# Altium PCB PCB1.PcbDoc
Units mm, origin at the board's own origin, x right, y up, seen from the top; angles counter-clockwise.
Board outline 99.31 x 89.54 mm, 2 copper layers (Top Layer, Bottom Layer); 80 components, 69 nets, 260 pads, 105 vias.
Unrouted connection lines stored in the file: 110.
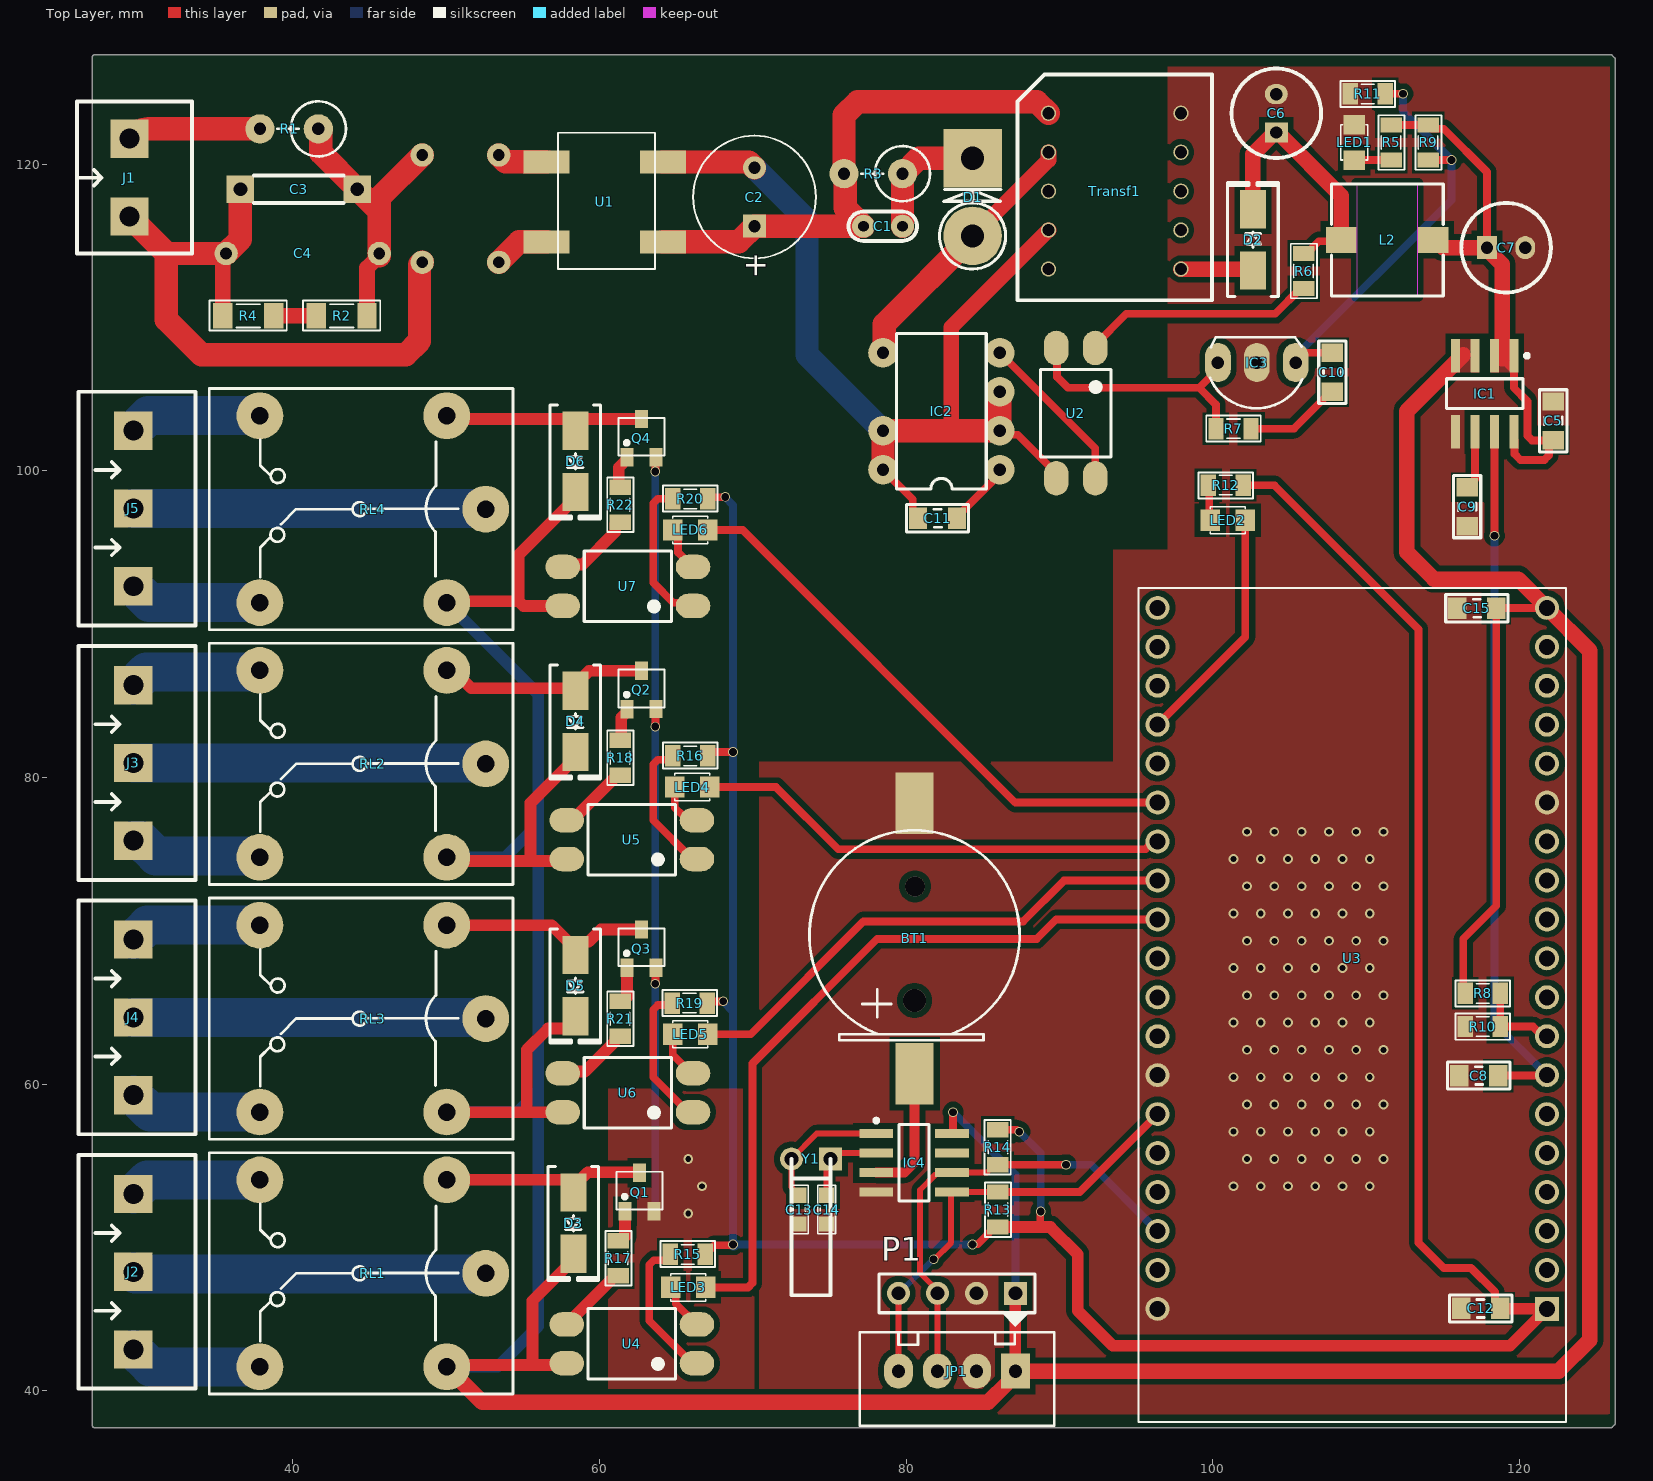
[diagram p0: Top Layer view]
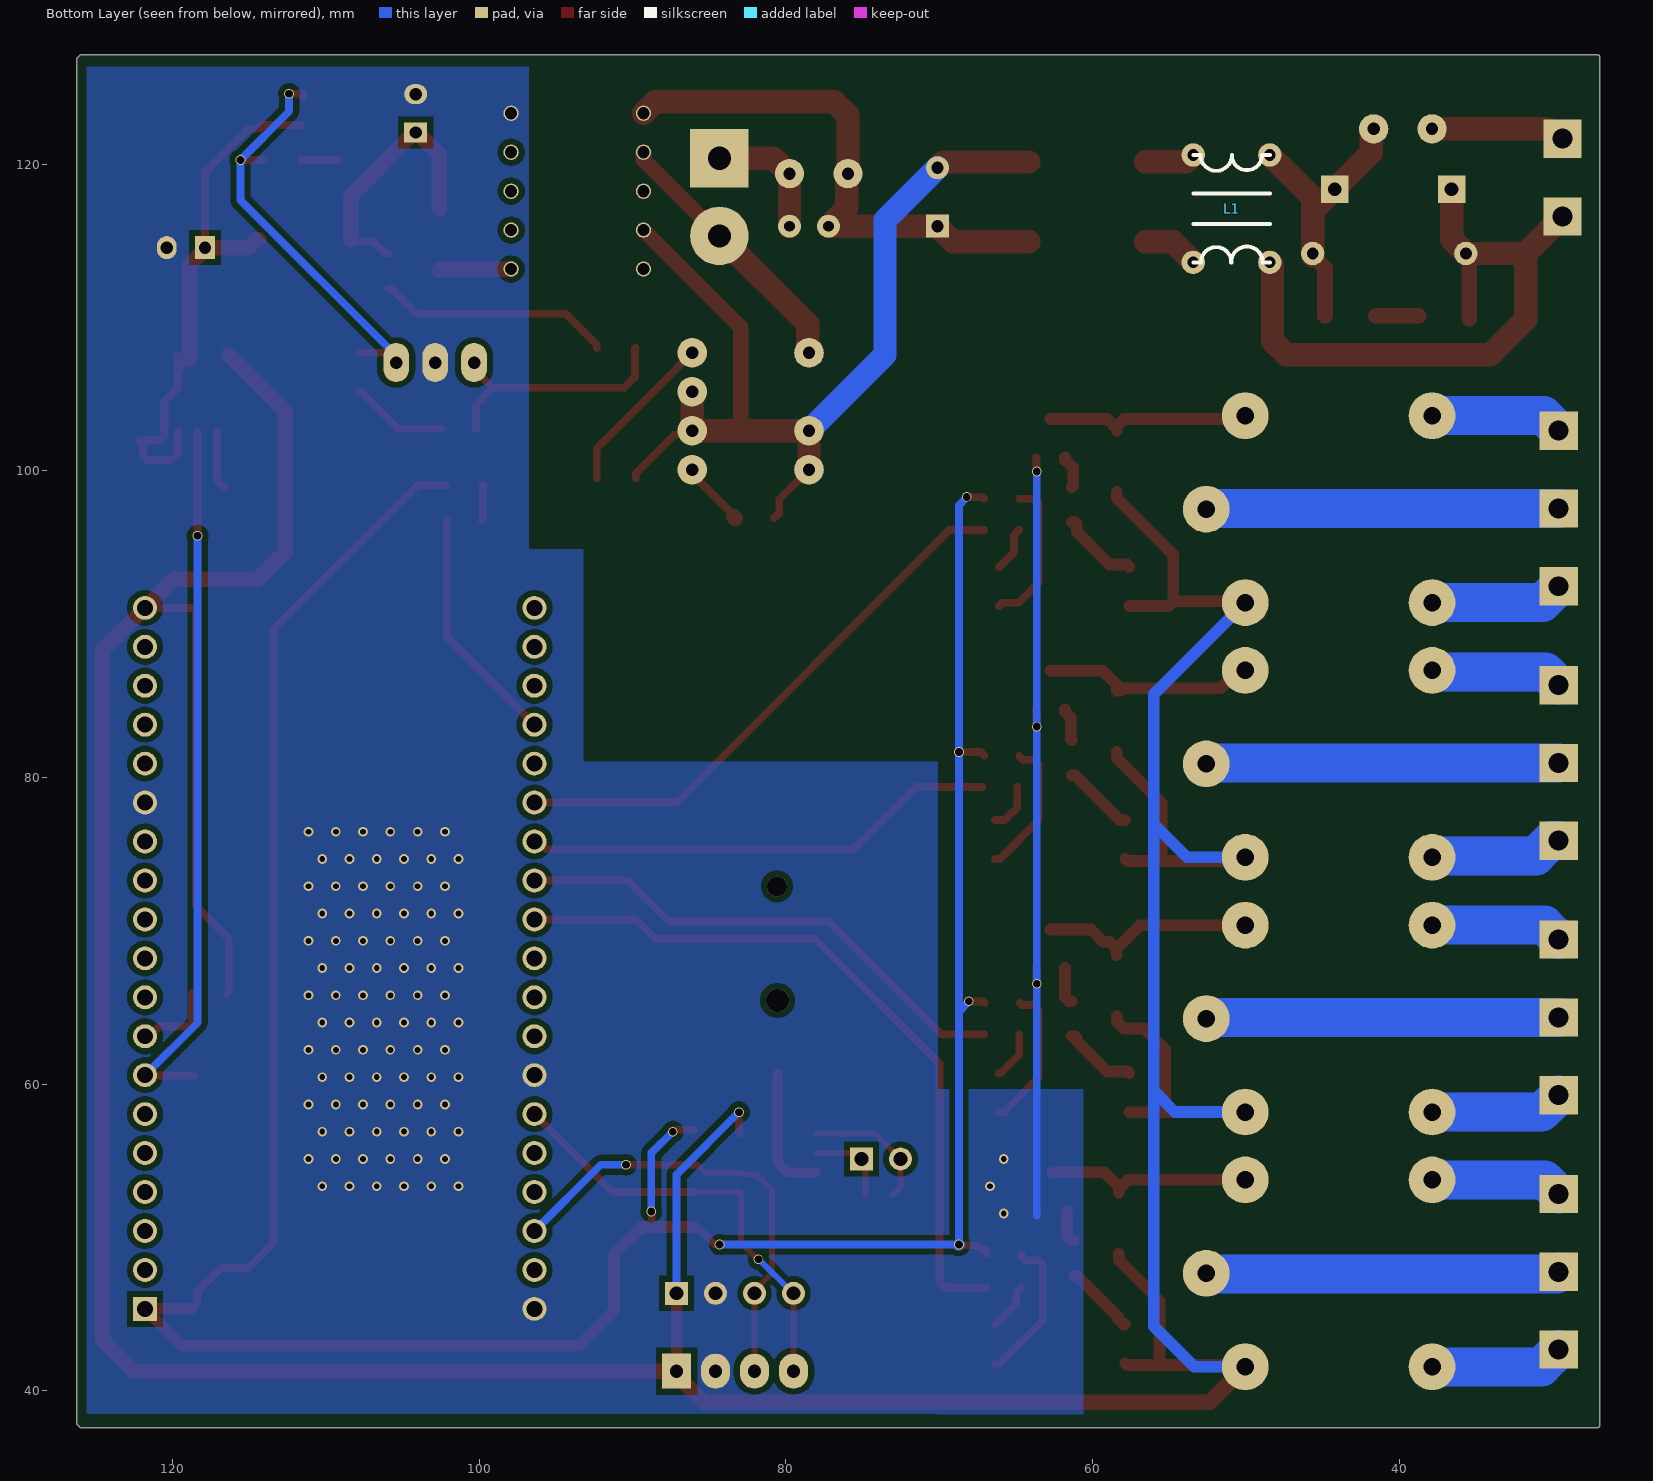
[diagram p1: Bottom Layer view, seen from below]
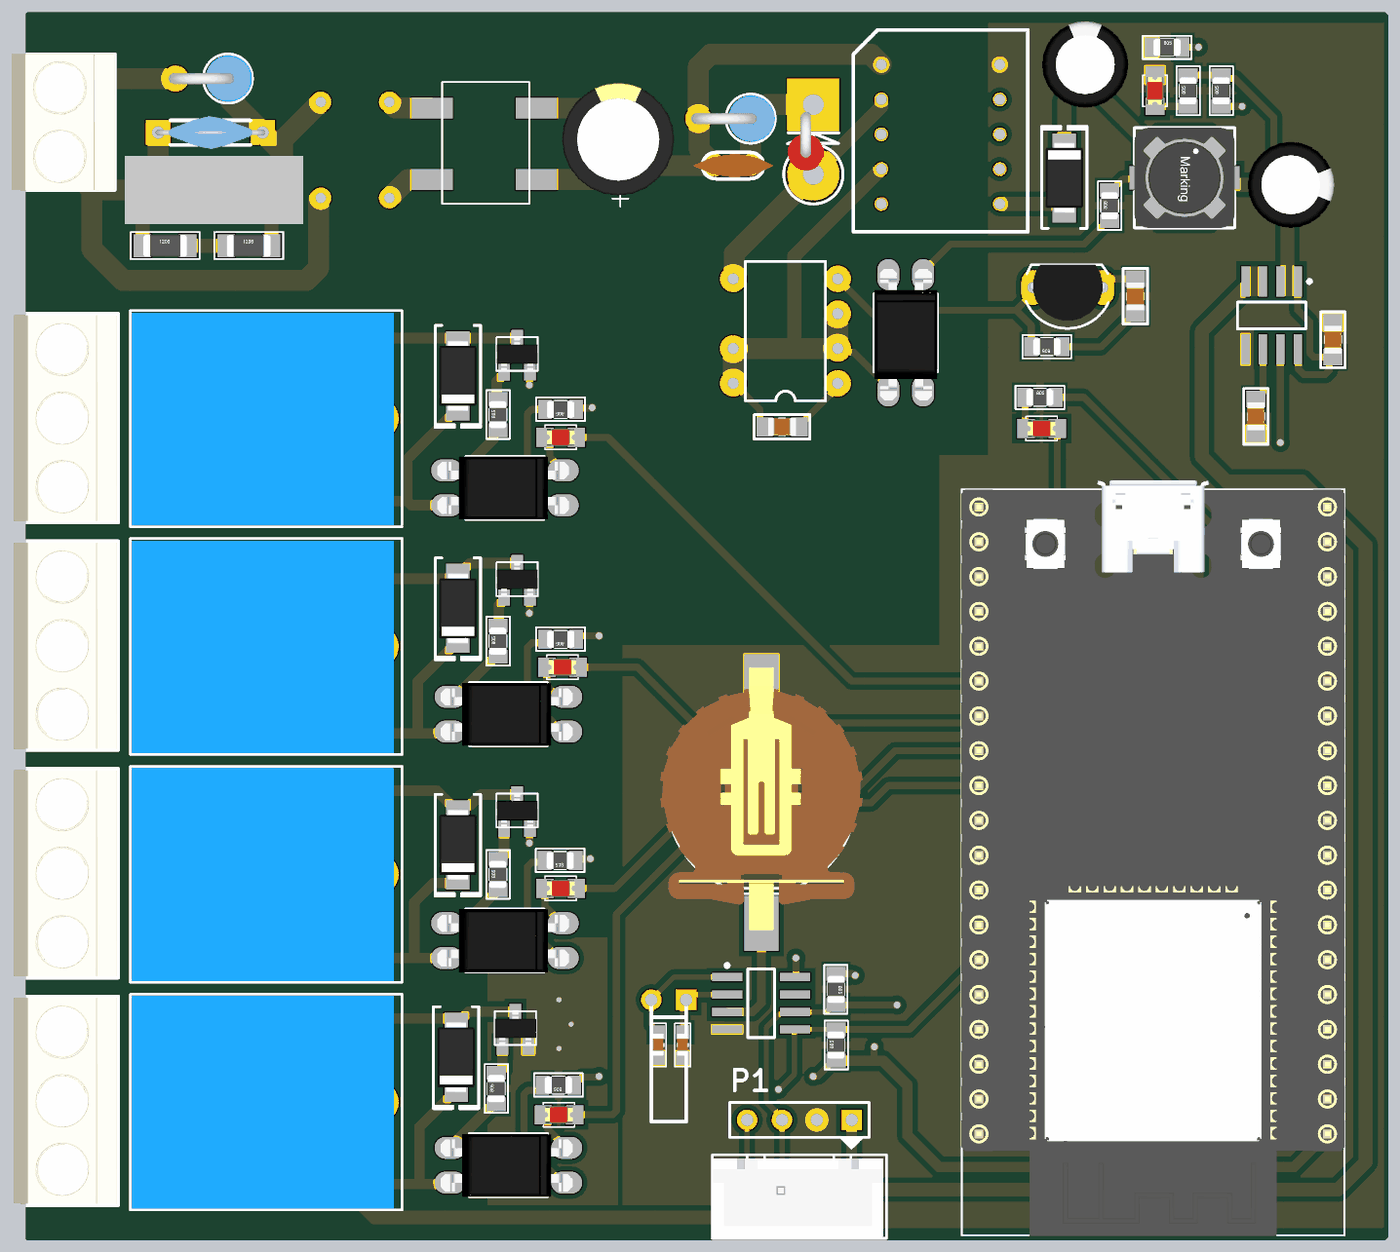
[diagram p2: 3D render of the assembled board from above, using the file's embedded part models]

## Layer stack, top to bottom
Top Solder: solder mask 0.0102, Solder Resist, Dk 3.5
Top Layer: signal copper 0.0356
Dielectric 1: dielectric 0.32, FR-4, Dk 4.8
Bottom Layer: signal copper 0.0356
Bottom Solder: solder mask 0.0102, Solder Resist, Dk 3.5

## Board outline
26.924,37.719 26.924,127 cw(c27.051,127) 26.961,127.09 cw(c27.051,127) 27.052,127.127 125.962,127.127 cw(c125.962,127) 126.053,127.09 126.201,126.941 cw(c126.112,126.852) 126.238,126.851 126.238,37.868 cw(c126.111,37.868) 126.201,37.777 126.052,37.629 cw(c125.963,37.718) 125.962,37.592 27.051,37.592 cw(c27.051,37.719)

## Design rules (kind name [scope] priority, off if disabled: settings)
Clearance [All] p1: gap=0.381 ignorepadtopadclearanceinfootprint=FALSE
PolygonConnect [All] p1: connectstyle=Direct reliefconductorwidth=0.254 reliefentries=4 polygonreliefangle="90 Angle" airgapwidth=0.254
RoutingVias [All] p1: holewidth=0.457 width=0.584 viastyle="Through Hole" minholewidth=0.381 minwidth=0.508 maxholewidth=1.016 maxwidth=1.27
SolderMaskExpansion [All] p1: expansion=0.102 istentingtop=FALSE
Width [All] p1: maxlimit=2.54 minlimit=0.305 preferedwidth=0.381
30 further rules are at their usual default settings.

## Components (designator, comment, footprint, x,y, rotation, side; value= is the part's Value field where it differs from the comment)
BT1 "Battery3.3V" "CR1220 SMD" 80.772,69.342 r0 top
C1 "10nF/500V" "tu gom" 78.486,115.951 r0 top
C2 "33uF" CA-ALU-8 70.104,117.856 r90 top value=104
C3 "14D471K" 103/2KV 36.576,118.364 r0 top
C4 "Cap AC filter" "Cap AC filter" 40.64,114.173 r0 top
C5 "100nF" CAP_0805 122.174,103.251 r90 top value=33p
C6 "330uF/16V" C8mm 104.14,123.317 r90 top
C7 "100uF" C8mm 119.126,114.554 r0 top
C8 "100nF" CAP_0805 117.348,60.579 r0 top value=33p
C9 "10nF" CAP_0805 116.611,97.663 r270 top value=33p
C10 "100nF" CAP_0805 107.823,106.426 r270 top value=33p
C11 "100nF" CAP_0805 82.042,96.926 r0 top value=33p
C12 "100nF" CAP_0805 117.475,45.339 r180 top value=33p
C13 "10pF" CAP_0603 73.025,51.816 r90 top value=33p
C14 "10pF" CAP_0603 74.803,51.816 r90 top value=33p
C15 "100nF" CAP_0805 117.221,91.059 r0 top value=33p
D1 "1N4937" D5AN 84.328,120.396 r270 top value=1N5408
D2 "SS34" "DIODE SMA" 102.616,115.062 r90 top
D3 "M7" "DIODE SMA" 58.293,50.927 r270 top
D4 "M7" "DIODE SMA" 58.42,83.661 r270 top
D5 "M7" "DIODE SMA" 58.42,66.421 r270 top
D6 "M7" "DIODE SMA" 58.42,100.616 r270 top
IC1 "Current Sensor IC" SOIC-8 117.729,105.029 r270 top
IC2 "TNY267" TNY264 87.296,98.386 r90 top
IC3 "TL431" qto-92 102.87,107.061 r180 top
IC4 "DS1307Z" SOIC-8 80.518,54.864 r0 top
J1 "KF2" KF2-5.08 29.337,119.126 r90 top
J2 "KF3" KF3-5.08 29.591,52.832 r270 top
J3 "KF3" KF3-5.08 29.591,86.021 r270 top
J4 "KF3" KF3-5.08 29.591,69.427 r270 top
J5 "KF3" KF3-5.08 29.591,102.616 r270 top
JP1 "JP4" CON4 87.122,41.275 r180 top value="Connector 4"
L1 "Inductor EE8.3" "Inductor EE8.3" 50.927,117.094 r270 bottom
L2 "3.3uH" L-SMD-M-7.3x4.5 111.379,115.062 r90 top value="150 mH"
LED1 "LED" LED-0805-Red 109.22,120.269 r90 top value="LED 3 ly Single Colour"
LED2 "LED" LED-0805-Red 99.822,96.774 r0 top value="LED 3 ly Single Colour"
LED3 "LED" LED-0805-Red 64.643,46.736 r0 top value="LED 3 ly Single Colour"
LED4 "LED" LED-0805-Red 64.897,79.375 r0 top value="LED 3 ly Single Colour"
LED5 "LED" LED-0805-Red 64.77,63.246 r0 top value="LED 3 ly Single Colour"
LED6 "LED" LED-0805-Red 64.77,96.139 r0 top value="LED 3 ly Single Colour"
P1 "Header 4" HDR1X4 87.122,46.355 r180 top
Q1 "2N222" SOT23D 62.611,52.959 r0 top value=C1815
Q2 "2N222" SOT23D 62.738,85.705 r0 top value=C1815
Q3 "2N222" SOT23D 62.738,68.834 r0 top value=C1815
Q4 "2N222" SOT23D 62.738,102.128 r0 top value=C1815
R1 "2R/2W" RES-1WD 40.005,122.301 r180 top value="R1/4W - 1K"
R2 "1M" RES-SMD-1206 43.18,110.109 r0 top
R3 "200k/2W" RES-1WD 78.105,119.38 r180 top value="R1/4W - 1K"
R4 "1M" RES-SMD-1206 37.084,110.109 r0 top
R5 "1k" RES-SMD-0805 111.633,121.412 r90 top
R6 "200R" RES-SMD-0805 105.918,113.03 r90 top
R7 "3.3k" RES-SMD-0805 101.346,102.743 r180 top
R8 "10k" RES-SMD-0805 117.602,65.913 r0 top
R9 "11k" RES-SMD-0805 114.046,121.412 r90 top
R10 "3k" RES-SMD-0805 117.602,63.754 r0 top
R11 "10k" RES-SMD-0805 110.109,124.587 r0 top
R12 "1k" RES-SMD-0805 100.838,99.06 r0 top
R13 "10k" RES-SMD-0805 85.979,51.816 r90 top
R14 "10k" RES-SMD-0805 85.979,55.88 r270 top
R15 "1k" RES-SMD-0805 65.748,48.895 r180 top
R16 "1k" RES-SMD-0805 65.913,81.407 r180 top
R17 "1k" RES-SMD-0805 61.214,48.641 r90 top
R18 "1k" RES-SMD-0805 61.341,81.28 r90 top
R19 "1k" RES-SMD-0805 65.875,65.278 r180 top
R20 "1k" RES-SMD-0805 65.913,98.171 r180 top
R21 "1k" RES-SMD-0805 61.341,64.262 r90 top
R22 "1k" RES-SMD-0805 61.341,97.79 r90 top
RL1 "Relay 10A/12V" "RELAY 5" 44.323,47.655 r180 top value="Relay SPDT, 10A, 12V"
RL2 "Relay 10A/12V" "RELAY 5" 44.323,80.883 r180 top value="Relay SPDT, 10A, 12V"
RL3 "Relay 10A/12V" "RELAY 5" 44.323,64.269 r180 top value="Relay SPDT, 10A, 12V"
RL4 "Relay 10A/12V" "RELAY 5" 44.323,97.498 r180 top value="Relay SPDT, 10A, 12V"
Transf1 "Transformer EE12.7" "Transformer EE12.7" 93.599,118.237 r270 top
U1 "Diode Bridge Flate" DB207S 60.325,117.475 r270 top
U2 "OPTO PC817 SMD" SOP4 91.059,103.759 r270 top value=PC817
U3 "ESP32-DEVKITC-32D" MODULE_ESP32-DEVKITC-32D 109.093,65.099 r180 top
U4 "OPTO PC817 SMD" SOP4 62.103,43.053 r180 top value=PC817
U5 "OPTO PC817 SMD" SOP4 62.103,75.946 r180 top value=PC817
U6 "OPTO PC817 SMD" SOP4 61.849,59.436 r180 top value=PC817
U7 "OPTO PC817 SMD" SOP4 61.849,92.456 r180 top value=PC817
Y1 "32.768KHz" XTAL32K 75.057,55.118 r180 top

## Footprints (in the part's own frame and the unit in brackets; to place one, negate y for a bottom-side part, rotate by r counter-clockwise, add the part's x,y. Pads: shape width x height; smd on the part's side, far side on the other; paste and mask are expansions set on the pad)
103/2KV [mm]
  rect 1.8x1.8 hole 0.9: 1(0,0) 2(7.62,0)
  silkscreen extent 0.89,-0.89 6.73,0.89, body extent -0.19,-1.2 7.81,1.19, height 9.03
C8mm [mm]
  rect 1.3x1.5 hole 0.8: 1(-1.25,0)
  oval 1.3x1.5 hole 0.8: 2(1.25,0)
  silkscreen extent -2.92,-2.92 2.92,2.92, body extent -3.15,-3.15 3.16,3.15, height 11.51
CA-ALU-8 [mm] "Polarized capacitors, Aluminum Electrolytic Capacitors, 2-Leads, Body 8x16x3.5x0.5"
  rect 1.5x1.5 hole 0.8: 1(-1.905,0)
  round 1.5 hole 0.8: 2(1.905,0)
  silkscreen extent -4,-4 4,4, body extent -4.1,-4.1 4.1,4.1, height 14.4
"Cap AC filter" [mil]
  round 60 hole 30: 1(-196.85,0) 2(196.85,0)
  body extent -256,-98 256,98, height 472
CAP_0603 [mm]
  rect 1x0.95 smd mask+0.076: 1(-0.94,0) 2(0.94,0)
  silkscreen extent -1.57,-0.58 1.57,0.58, body extent -0.77,-0.39 0.83,0.41, height 0.9
CAP_0805 [mm]
  rect 1.2x1.4 smd: 1(-1.27,-0.025) 2(1.27,-0.025)
  silkscreen extent -2.03,-0.91 2.03,0.86, body extent -1.01,-0.66 1.01,0.61, height 0.61
CON4 [mil] "CON4"
  rect 75x90 hole 34: 1(0,0)
  oval 75x90 hole 34: 2(100,0) 3(200,0) 4(300,0)
  silkscreen extent -100,-150 400,140, body extent -90,-90 398,136, height 276
"CR1220 SMD" [mm] "CR1220 SMD"
  rect 2.5x4 smd: 1(-0.229,-8.661) 2(-0.229,8.966)
  silkscreen extent -7.08,-6.48 6.63,7.21, body extent -7.6,-9.18 7.15,10.02, height 4.55
D5AN [mil] "Diode 5A, W 200mil, L 250mil"
  round 150 hole 60: 1(200,0)
  rect 150x150 hole 60: 2(0,0)
  silkscreen extent 81,-85 285,85, body extent 21,-74 189,31, height 252
DB207S [mm] "Bridge Rectifiers 2A 1000V"
  rect 1.5x3 smd: 1(2.54,3.81) 2(2.54,-3.785) 3(-2.667,-3.785) 4(-2.667,3.81)
  silkscreen extent -4.57,-3.05 4.32,3.3
"DIODE SMA" [mm] "SMA"
  rect 2.5x1.7 smd: 1(-2,0) 2(2,0)
  silkscreen extent -3.68,-1.65 3.75,1.65, body extent -2.6,-1.37 2.6,1.37, height 2.4
HDR1X4 [mm] "Connector; Header; 4 Position"
  rect 1.5x1.5 hole 0.9: 1(0,0)
  round 1.5 hole 0.9: 2(2.54,0) 3(5.08,0) 4(7.62,0)
  silkscreen extent -1.27,-1.27 8.89,1.27
"Inductor EE8.3" [mil]
  round 60 hole 30: 1(-137.8,98.43) 2(-137.8,-98.43) 3(137.8,98.43) 4(137.8,-98.43)
  silkscreen extent -138,-98 138,98
KF2-5.08 [mm]
  rect 2.5x2.5 hole 1.3: 1(-2.54,0) 2(2.54,0)
  silkscreen extent -4.95,-4.08 4.95,3.43, body extent -5,-4.07 5,3.43, height 10
KF3-5.08 [mm]
  rect 2.5x2.5 hole 1.3: 1(0,0) 2(5.08,0) 3(10.147,0)
  silkscreen extent -2.54,-3.58 12.7,4.06, body extent -2.42,-3.51 12.58,3.99, height 10
L-SMD-M-7.3x4.5 [mm] "WE-PDA SMD Shielded Power Inductor, 7345"
  rect 1.7x2 smd: 1(0,3) 2(0,-3)
  Top Layer keep-out region: -3.65,-2 3.65,-2 3.65,2 -3.65,2
  silkscreen extent -3.65,-3.65 3.65,3.65, body extent -3.65,-3.65 3.65,3.65, height 4.05
LED-0805-Red [mil]
  rect 50x55 smd: 1(0,0) 2(90,0)
  silkscreen extent 0,-35 90,35, body extent 5,-25 85,25, height 43
MODULE_ESP32-DEVKITC-32D [mm]
  rect 1.56x1.56 hole 1.04: 1(-12.7,19.76)
  round 1.56 hole 1.04: 2(-12.7,17.22) 3(-12.7,14.68) 4(-12.7,12.14) 5(-12.7,9.6) 6(-12.7,7.06) 7(-12.7,4.52) 8(-12.7,1.98) 9(-12.7,-0.56) 10(-12.7,-3.1) 11(-12.7,-5.64) 12(-12.7,-8.18) 13(-12.7,-10.72) 14(-12.7,-13.26) 15(-12.7,-15.8) 16(-12.7,-18.34) 17(-12.7,-20.88) 18(-12.7,-23.42) 19(-12.7,-25.96) 20(12.7,19.76) 21(12.7,17.22) 22(12.7,14.68) 23(12.7,12.14) 24(12.7,9.6) 25(12.7,7.06) 26(12.7,4.52) 27(12.7,1.98) 28(12.7,-0.56) 29(12.7,-3.1) 30(12.7,-5.64) 31(12.7,-8.18) 32(12.7,-10.72) 33(12.7,-13.26) 34(12.7,-15.8) 35(12.7,-18.34) 36(12.7,-20.88) 37(12.7,-23.42) 38(12.7,-25.96)
  silkscreen extent -13.95,-27.25 13.95,27.15, body extent -13.97,-27.9 13.97,27.2, height 8.25
qto-92 [mil] "TO-92"
  oval 66x100 hole 32: 1(-100,0) 2(0,0) 3(100,0)
  silkscreen extent -117,-65 120,118, body extent -109,-66 109,95, height 245
"RELAY 5" [mil] "Reley DPDT, 8 pin, 1A, W400mil, L800mil,H 300mil"
  round 120 hole 45: 1(-325,0) 2(255,240) 3(255,-240) 4(-225,-240) 5(-225,240)
  silkscreen extent -395,-310 385,310, body extent -371,-304 381,306, height 602
RES-1WD [mm]
  round 1.905 hole 0.8: 1(-1.651,0) 2(2.159,0)
  silkscreen extent -3.45,-1.8 1.02,1.8, body extent -3.43,-1.7 2.67,1.7, height 12.65
RES-SMD-0805 [mil]
  rect 39.37x55 smd: 1(-45,0) 2(45,0)
  silkscreen extent -70,-34 70,33, body extent -39,-25 39,25, height 31
RES-SMD-1206 [mil]
  rect 50x65 smd: 1(-65,0) 2(65,0)
  silkscreen extent -99,-38 99,39, body extent -63,-31 63,32, height 40
SOIC-8 [mm] "SOIC, 8-Leads, Body 5,0x4,0mm (max), Pitch 1,27mm, IPC Medium Density"
  rect 2.2x0.6 smd: 1(-2.475,1.905) 2(-2.475,0.635) 3(-2.475,-0.635) 4(-2.475,-1.905) 5(2.475,-1.905) 6(2.475,-0.635) 7(2.475,0.635) 8(2.475,1.905)
  silkscreen extent -2.6,-2.5 0.98,2.88, body extent -3.2,-2.5 3.2,2.5, height 1.75
SOP4 [mm]
  oval 2.25x1.6 smd: 1(-4.25,1.27) 2(-4.25,-1.27) 3(4.25,-1.27) 4(4.25,1.27)
  silkscreen extent -2.85,-2.3 2.85,2.3, body extent -4.67,-2.29 4.93,2.31, height 3.6
SOT23D [mm] "SOT 23C - 1-3-2 - BCE"
  rect 0.85x1.2 smd: 1(-0.95,-1.25) 2(0.94,-1.245) 3(0,1.25)
  silkscreen extent -1.5,-1.14 1.5,1.32, body extent -1.5,-1.17 1.5,1.33, height 1.06
TNY264 [mil] "Opto"
  round 76 hole 32: 1(66.54,46.85) 2(166.54,46.85) 3(266.54,46.85) 4(366.54,46.85) 5(366.54,346.85) 7(166.54,346.85) 8(66.54,346.85)
  silkscreen extent 17,82 417,312
"Transformer EE12.7" [mm]
  round 1 hole 0.8: 1(-5.08,-4.318) 2(-2.54,-4.318) 3(0,-4.318) 4(2.54,-4.318) 5(5.08,-4.318) 6(5.08,4.318) 7(2.54,4.318) 8(0,4.318) 9(-2.54,4.318) 10(-5.08,4.318)
  silkscreen extent -7.62,-6.35 7.11,6.35
"tu gom" [mm] "Tu gom mini"
  round 1.5 hole 0.7: 1(-1.27,0) 2(1.27,0)
  silkscreen extent -2.25,-0.97 2.22,0.97, body extent -2.92,-0.85 2.92,0.85, height 6.12
XTAL32K [mm] "Connector; Header; 2 Position"
  rect 1.5x1.5 hole 0.9: 1(0,0)
  round 1.5 hole 0.9: 2(2.54,0)
  silkscreen extent 0,0 2.54,8.89

## Part data
BT1: "Multicell Battery", LatestRevisionDate=17-Jul-2002, LatestRevisionNote="Re-released for DXP Platform.", PackageReference=BAT-2, Published=24-Mar-1999, Publisher="Altium Limited"
C1: library part "Tu gom 103 50V", "Tụ gốm 103 10nF 500V", Chung_Loai=Cắm, Don_Vi=Con, Ma_Hang=MH000936, So_Chan=2, Ten_Linh_Kien="Tụ gốm 103 10nF 50V"
C2: library part CAP-ALU-DIP, "Capacitor (Semiconductor SIM Model)", LatestRevisionDate=17-Jul-2002, LatestRevisionNote="Re-released for DXP Platform.", PackageReference=C1206, Publisher="Altium Limited"
C3: library part Cap2KV, "Capacitor Ceramic 2KV", LatestRevisionDate=17-Jul-2002, LatestRevisionNote="Re-released for DXP Platform.", PackageReference=RAD-0.3, Published=8-Jun-2000, Publisher="Altium Limited"
C4: "Tụ lọc nguồn AC 0.1uf 275v 10mm"
C5 C8 C9 C10 C11 C12 C13 C14 C15: library part CapSMD, "Capacitor", LatestRevisionDate=17-Jul-2002, LatestRevisionNote="Re-released for DXP Platform.", PackageReference=RAD-0.3, Published=8-Jun-2000, Publisher="Altium Limited"
C6 C7: library part "Cap Pol", "Polarized Capacitor (Axial)", LatestRevisionDate=17-Jul-2002, LatestRevisionNote="Re-released for DXP Platform.", PackageReference=POLAR0.8, Published=8-Jun-2000, Publisher="Altium Limited"
D1: library part D5A, "Diode 5A"
D2: library part "Diode SS34 ( 1N5822 )", "Dán", Chung_Loai=Dán, Don_Vi=Con, Ma_Hang=MH002104, Ten_Linh_Kien="Diode SS34 3A 40V SMA ( 1N5822 SS34A)"
D3 D4 D5 D6: library part "Diode M7 ( 4007 )", "Dán", Chung_Loai=Dán, Don_Vi=Con, Ma_Hang=MH000944, Ten_Linh_Kien="Diode M7 1N4007 SMD 1A 1000V"
IC1: library part ACS712
IC2: library part TNY264, "IC Power"
IC3: "Programmable Shunt Regulator"
IC4: "0x68"
J1: Manufacturer="Würth Elektronik eiSos GmbH", partNo=691103110002, ComponentLink1 Description=Manufacturer, ComponentLink1URL=http://www.we-online.com, ComponentLink2 Description=Datasheet, ComponentLink2URL=http://katalog.we-online.de/em/datasheet/6911031100xx.pdf, Created by="Karrer Zheng", Created Date="29 October 2013", NoPins=2
J2 J3 J4 J5: Manufacturer="Würth Elektronik eiSos GmbH", partNo=691103110003, ComponentLink1 Description=Manufacturer, ComponentLink1URL=http://www.we-online.com, ComponentLink2 Description=Datasheet, ComponentLink2URL=http://katalog.we-online.de/em/datasheet/6911031100xx.pdf, Created by="Karrer Zheng", Created Date="29 October 2013", NoPins=3
JP1: library part Con4, "Connector 4"
L2: library part L-DIP-1, "Inductor"
LED1 LED2 LED3 LED4 LED5 LED6: "LED Single colour Green and Red"
P1: "Header, 4-Pin", LatestRevisionDate=17-Jul-2002, LatestRevisionNote="Re-released for DXP Platform.", Publisher="Altium Limited"
Q1 Q2 Q3 Q4: "NPN 600mW, ECB"
R1 R3: library part "Resistor - DIP", "Resistor - DIP"
R2 R4 R5 R6 R7 R8 R9 R10 R11 R12 R13 R14 R15 R16 R17 R18 R19 R20 R21 R22: library part "Resistor - SMD", "Resistor", Manufacturer="Generic Components", Class=Passive, Published=08/06/2000, Publisher="Altium Hobart Technology Centre"
RL1 RL2 RL3 RL4: library part "Relay 5", "Relay SPDT,10A - 12VDC 5 Pin"
Transf1: library part "Tranformer EE16"
U1: "Diode Bridge"
U2 U4 U5 U6 U7: "Single Opto"
U3: "EVAL BOARD FOR ESP-WROOM-32", Package=None, Availability=Warning, Check_prices=https://www.snapeda.com/parts/ESP32-DEVKITC-32D/Espressif%20Systems/view-part/2777395/?ref=eda, MF="Espressif Systems", MP=ESP32-DEVKITC-32D, Price=None, Purchase-URL=https://pricing.snapeda.com/search/part/ESP32-DEVKITC-32D/?ref=eda, SnapEDA_Link=https://www.snapeda.com/parts/ESP32-DEVKITC-32D/Espressif%20Systems/view-part/2777395/?ref=snap
Y1: library part XTAL/32KHz, "Crystal Oscillator", LatestRevisionDate=17-Jul-2002, LatestRevisionNote="Re-released for DXP Platform.", PackageReference=R38, Published=8-Jun-2000, Publisher="Altium Limited"

## Via types
v1: diameter 0.635, hole 0.381, Top Layer to Bottom Layer, tented both sides, 86 vias
v2: diameter 0.635, hole 0.508, Top Layer to Bottom Layer, tented both sides, 16 vias
v3: diameter 0.635, hole 0.381, Top Layer to Bottom Layer, tented top, 1 vias
v4: diameter 1.3, hole 1.3, Top Layer to Bottom Layer, tented both sides, 1 vias
v5: diameter 1.5, hole 1.5, Top Layer to Bottom Layer, tented both sides, 1 vias

## Nets (pads, with @x,y where several pads share a name; then routed paths per layer and width w, separated by ;. In a path a pad name is that pad's centre, name@x,y a point inside that pad or via, vN(x,y) a via of type N, cw(c..) or ccw(c..) an arc to the next point about the centre after c; other vN are vias at no path point)
+3V3: C12.1 R12.2 R13.1 R14.1 R15.1 R16.1 R19.1 R20.1 U3.1 | length 190.2
  Top Layer w0.508: R15.1 66.891,49.093 67.01,49.212 67.208,49.212 67.477,49.481 68.658,49.481 v2(68.707,49.53) ; R19.1 67.121,65.381 68.048,65.381 v2(68.072,65.405) ; R16.1 67.056,81.415 67.302,81.661 v2(68.707,81.661) ; R20.1 67.159,98.274 68.175,98.274 v2(68.199,98.298) ; v2(84.318,49.53) 84.342,49.554 84.662,49.554 85.781,50.673 R13.1 ; R14.1 87.215,57.023 87.342,56.896 v2(87.376,56.896) ; 88.723,50.673 88.749,50.699 88.749,51.665 v2(88.773,51.689) ; R12.2@102.108,99.06 104.013,99.06 113.411,89.662 113.411,49.657 115.062,48.006 116.84,48.006 118.399,46.447 118.399,45.71 C12.1
  Top Layer w0.762: R13.1 88.723,50.673 89.408,50.673 91.186,48.895 91.186,45.212 93.472,42.926 119.38,42.926 U3.1 121.78,45.352 118.758,45.352 C12.1
  Bottom Layer w0.508: v2(68.072,65.405) 68.072,65.371 68.707,64.736 ; v2(68.199,98.298) 68.199,98.264 68.707,97.756 v2(68.707,81.661) 68.707,64.736 ; v2(68.707,49.53) 68.707,64.736 ; v2@68.766,49.53 v2(84.318,49.53) ; v2(87.376,56.896) 88.773,55.499 v2(88.773,51.689)
  Bottom Layer w0.762: v2(68.707,49.53) v2@68.766,49.53
+5: C15.2 D3.2 D4.2 D5.2 D6.2 IC1.3 IC1.4 IC4.8 JP1.1 P1.1 R8.1 RL1.5 RL2.5 RL3.5 RL4.5 U3.19 U4.4 U5.4 U6.4 U7.4 | length 335.7
  Top Layer w0.508: IC4.8 83.012,56.769 83.058,56.815 v2(83.058,58.166) ; R8.1 116.332,66.04 116.332,69.469 118.491,71.628 C15.2 118.504,91.046 121.78,91.046 U3.19
  Top Layer w0.762: RL1.5 50.15,41.671 55.626,41.671 ; RL3.5 50.04,58.171 55.245,58.171 ; RL2.5 50.276,74.549 55.372,74.549 ; RL4.5 50.12,91.484 54.737,91.484 ; 55.559,58.171 55.245,58.171 ; 55.564,58.166 U6.4 ; U7.4 55.035,91.186 54.737,91.484 ; U4.4 57.741,41.671 55.626,41.671 ; U5.4 57.726,74.549 55.372,74.549 ; D3.2 58.293,48.527 55.626,45.86 55.626,41.671 ; D5.2 58.42,64.096 57.951,63.627 56.642,63.627 55.245,62.23 55.245,58.171 ; D4.2 58.42,81.261 55.499,78.34 55.499,74.676 55.372,74.549 ; D6.2 58.42,98.216 54.737,94.533 54.737,91.484 ; JP1.1 P1.1
  Top Layer w1.016: RL1.5 52.354,39.243 85.345,39.243 86.677,40.576 86.677,40.831 JP1.1 122.555,41.275 124.587,43.307 124.587,88.265 U3.19 119.919,92.933 114.419,92.933 112.649,94.702 112.649,98.552 112.649,103.886 116.332,107.569
  Bottom Layer w0.508: v2(83.058,58.166) 87.122,54.102 P1.1
  Bottom Layer w0.762: RL1.5 53.37,41.559 56.007,44.196 56.007,59.563 ; RL3.5 54.617,58.173 56.007,59.563 ; RL2.5 53.832,74.787 56.007,76.962 ; RL4.5 56.007,85.433 56.007,76.962 ; 56.007,59.563 56.007,76.962
ESP_SCL: IC4.6 JP1.3 P1.3 R14.2 U3.22 | length 30.3
  Top Layer w0.381: JP1.3 P1.3 82.042,46.538 80.899,47.681 80.899,53.086 81.933,54.12 82.884,54.12 IC4.6 85.272,54.229 85.781,54.737 R14.2
  Top Layer w0.508: R14.2 v2(90.424,54.737)
  Bottom Layer w0.508: v2(90.424,54.737) 92.075,54.737 U3.22
ESP_SDA: IC4.5 JP1.4 P1.4 R13.2 U3.25 | length 28.7
  Top Layer w0.305: IC4.5@82.931,52.897 IC4.5
  Top Layer w0.381: JP1.4 P1.4 ; v2(81.788,48.578) 81.852,48.578 82.931,49.657 IC4.5@82.931,52.897 ; IC4.5 R13.2
  Top Layer w0.508: R13.2 91.313,52.959 U3.25
  Bottom Layer w0.381: P1.4 79.534,46.355 81.756,48.578 v2(81.788,48.578)
GND_AC: C2.2 C11.1 IC2.2 IC2.3 IC2.7 IC2.8 Transf1.4 U1.4 U2.3 | length 64.6
  Top Layer w0.508: IC2.8 80.426,98.136 80.426,97.247 C11.1 ; IC2.2 86.378,102.344 87.279,102.344 89.789,99.834 U2.3
  Top Layer w1.016: 82.931,102.616 82.931,109.347 Transf1.4 ; IC2.3@85.979,105.283 IC2.3
  Top Layer w1.524: U1.4 69.723,120.142 C2.2 ; IC2.8 IC2.7 82.931,102.616 IC2.2 IC2.3
  Bottom Layer w1.524: C2.2 73.533,116.332 73.533,107.569 IC2.7
GND_DC: BT1.2 C5.2 C6.2 C7.2 C8.1 C9.2 C12.2 C13.1 C14.1 C15.1 IC1.5 IC3.2 IC4.4 JP1.2 LED1.2 P1.2 Q1.2 Q2.2 Q3.2 Q4.2 R10.1 R11.1 Transf1.10 U3.14 U3.20 U3.26 | length 51.8
  Top Layer w0.508: Q1.2 Q1.2@63.603,51.662 ; v2(63.627,66.548) 63.651,66.572 63.651,67.563 Q3.2 ; v2(63.627,83.312) 63.651,83.336 63.651,84.434 Q2.2 ; v2(63.627,99.949) 63.651,99.973 63.651,100.857 Q4.2
  Bottom Layer w0.508: 63.627,51.435 v2(63.627,66.548) v2(63.627,83.312) v2(63.627,99.949)
  other v1: 65.786,51.562 101.346,53.34 103.124,53.34 104.902,53.34 106.68,53.34 108.458,53.34 110.236,53.34 65.786,55.118 102.235,55.118 104.013,55.118 105.791,55.118 107.569,55.118 109.347,55.118 111.125,55.118 101.346,56.896 103.124,56.896 104.902,56.896 106.68,56.896 108.458,56.896 110.236,56.896 102.235,58.674 104.013,58.674 105.791,58.674 107.569,58.674 109.347,58.674 111.125,58.674 101.346,60.452 103.124,60.452 104.902,60.452 106.68,60.452 108.458,60.452 110.236,60.452 102.235,62.23 104.013,62.23 105.791,62.23 107.569,62.23 109.347,62.23 111.125,62.23 101.346,64.008 103.124,64.008 104.902,64.008 106.68,64.008 108.458,64.008 110.236,64.008 102.235,65.786 104.013,65.786 105.791,65.786 107.569,65.786 109.347,65.786 111.125,65.786 101.346,67.564 103.124,67.564 104.902,67.564 106.68,67.564 108.458,67.564 110.236,67.564 102.235,69.342 104.013,69.342 105.791,69.342 107.569,69.342 109.347,69.342 111.125,69.342 101.346,71.12 103.124,71.12 104.902,71.12 106.68,71.12 108.458,71.12 110.236,71.12 102.235,72.898 104.013,72.898 105.791,72.898 107.569,72.898 109.347,72.898 111.125,72.898 101.346,74.676 103.124,74.676 104.902,74.676 106.68,74.676 108.458,74.676 110.236,74.676 102.235,76.454 104.013,76.454 105.791,76.454 107.569,76.454 109.347,76.454 111.125,76.454
  other v3: 66.675,53.34
I_MEASURE: C8.2 IC1.7 U3.7 | length 46.6
  Top Layer w0.508: v2(118.364,95.758) IC1.7 ; C8.2 118.631,60.566 121.78,60.566 U3.7
  Bottom Layer w0.508: v2(118.364,95.758) 118.364,64.008 U3.7
NetBT1_1: BT1.1 IC4.3 | length 8.6
  Top Layer w0.635: IC4.3 79.883,54.229 80.543,54.889 BT1.1
NetC1_1: C1.1 C2.1 R3.2 Transf1.1 U1.1 | length 35.3
  Top Layer w1.524: U1.1 69.088,114.935 C2.1 C1.1 76.019,117.148 76.019,119.307 R3.2 75.946,123.186 76.839,124.079 88.519,124.079 Transf1.1
NetC1_2: C1.2 D1.2 R3.1 | length 8.4
  Top Layer w1.524: C1.2 R3.1 79.809,119.38 80.825,120.396 D1.2
NetC3_1: C3.1 C4.1 J1.1 L1.3 R4.1 | length 43.5
  Top Layer w1.016: R4.1@35.433,109.919 R4.1 35.433,113.558 cw(c36.449,113.558) C4.1
  Top Layer w1.524: J1.1 31.75,114.173 ; C3.1 36.576,115.109 C4.1 31.75,114.173 ; L1.3 48.26,113.427 48.26,108.462 47.367,107.569 34.036,107.569 31.75,109.855 31.75,114.173
NetC3_2: C3.2 C4.2 L1.1 R1.1 R2.2 | length 19
  Top Layer w1.016: R2.2 44.831,113.226 C4.2@45.64,114.036
  Top Layer w1.524: R1.1 41.826,122.131 41.826,120.734 C3.2 45.64,116.92 ; C4.2@45.64,114.036 C4.2 45.64,116.92 ; L1.1 45.64,117.807 45.64,116.92
NetC5_1: C5.1 C7.1 IC1.1 IC1.2 IC1.8 L2.2 R5.2 R9.2 | length 37.6
  Top Layer w0.508: R5.2 R9.2@114.244,122.555 ; R9.2 114.292,122.309 115.054,122.309 117.876,119.487 C7.1 ; 118.872,107.315 IC1.1@119.634,106.553 ; IC1.8 119.634,102.027 119.68,101.981 119.68,101.09 120.059,100.711 121.622,100.711 121.92,101.009 121.92,101.702 C5.1 120.821,101.981 120.523,102.279 120.523,104.521 119.634,105.41 IC1.1@119.634,106.553 ; IC1.1 IC1.1@119.634,106.553
  Top Layer w1.016: L2.2 114.529,115.062 115.037,114.554 C7.1 117.876,114.454 118.872,113.458 118.872,107.315
NetC6_1: C6.1 D2.2 L2.1 R6.2 | length 17.3
  Top Layer w0.508: R6.2 106.116,114.173 106.915,114.971 108.288,114.971 L2.1
  Top Layer w1.016: D2.2 102.616,120.643 104.04,122.067 C6.1 104.24,122.067 108.379,117.928 L2.1
NetC9_1: C9.1 IC1.6 | length 3.9
  Top Layer w0.508: C9.1 116.686,98.933 117.032,99.279 117.032,99.379 117.094,99.441 IC1.6
NetC10_1: C10.1 IC3.1 R9.1 R11.2 | length 28.4
  Top Layer w0.508: IC3.1 105.41,107.156 105.95,107.696 C10.1 ; R11.2@111.498,124.333 111.498,124.587 v2(112.395,124.587) ; R9.1 v2(115.57,120.269)
  Bottom Layer w0.508: IC3.1 105.41,107.493 115.57,117.653 v2(115.57,120.269) 112.395,123.444 v2(112.395,124.587)
NetC10_2: C10.2 R7.1 | length 6.3
  Top Layer w0.508: R7.1 105.285,102.743 107.698,105.156 C10.2
NetC11_2: C11.2 IC2.1 | length 4.5
  Top Layer w0.508: C11.2 83.312,97.001 86.106,99.795 IC2.1
  Top Layer w1.016: C11.2 C11.2@83.404,96.993
NetC13_2: C13.2 IC4.1 Y1.2 | length 8.8
  Top Layer w0.381: C13.2 73.025,52.781 72.517,53.289 Y1.2 74.168,56.769 IC4.1
NetC14_2: C14.2 IC4.2 Y1.1 | length 5.6
  Top Layer w0.381: C14.2 74.803,54.864 Y1.1 75.438,55.499 IC4.2
NetD1_1: D1.1 IC2.5 Transf1.2 | length 17.6
  Top Layer w1.016: D1.1 89.281,120.269 Transf1.2
  Top Layer w1.524: IC2.5 78.564,107.774 78.564,109.552 D1.1
NetD2_1: D2.1 Transf1.6 | length 4.7
  Top Layer w1.016: Transf1.6 102.521,113.157 D2.1
NetD3_1: D3.1 Q1.3 RL1.4 | length 13.6
  Top Layer w0.762: RL1.4 57.697,53.751 D3.1@58.293,53.155 ; D3.1 58.293,53.327 59.22,54.254 62.567,54.254 Q1.3@62.611,54.21
NetD4_1: D4.1 Q2.3 RL2.4 | length 14
  Top Layer w0.762: RL2.4 50.469,86.979 51.627,85.821 57.951,85.821 58.111,85.661 D4.1 58.42,86.061 59.314,86.955 Q2.3
NetD5_1: D5.1 Q3.3 RL3.4 | length 14.3
  Top Layer w0.762: RL3.4 56.876,70.365 D5.1@58.42,68.821 ; D5.1 D5.1@58.42,68.821 ; Q3.3 60.083,70.084 59.289,69.29 58.889,69.29 D5.1@58.42,68.821
NetD6_1: D6.1 Q4.3 RL4.4 | length 13.5
  Top Layer w0.762: RL4.4 50.254,103.378 57.951,103.378 58.42,102.909 D6.1 ; D6.1@58.42,102.782 59.016,103.378 Q4.3
NetIC2_4: IC2.4 U2.4 | length 10.8
  Top Layer w0.508: IC2.4 92.329,101.473 U2.4
NetIC3_3: IC3.3 R7.2 U2.2 | length 16.7
  Top Layer w0.508: U2.2 89.839,107.959 89.839,106.122 90.551,105.41 99.111,105.41 ; R7.2 100.203,104.318 99.111,105.41 ; IC3.3 100.33,106.629 99.111,105.41
NetJ1_2: J1.2 R1.2 | length 8.7
  Top Layer w1.524: J1.2 29.526,121.855 cw(c30.603,120.777) 30.603,122.301 37.743,122.301 R1.2
NetJ2_1: J2.1 RL1.3 | length 8.6
  Bottom Layer w2.54: J2.1 30.51,53.751 RL1.3
NetJ2_2: J2.2 RL1.1 | length 23.1
  Bottom Layer w2.54: J2.2 29.718,47.625 52.548,47.625 RL1.1
NetJ2_3: J2.3 RL1.2 | length 8.7
  Bottom Layer w2.54: J2.3 30.717,41.559 RL1.2
NetJ3_1: J3.1 RL2.3 | length 8.7
  Bottom Layer w2.54: J3.1 30.452,86.882 37.749,86.882 RL2.3
NetJ3_2: J3.2 RL2.1 | length 23.1
  Bottom Layer w1.524: J3.2 J3.2@29.62,80.912
  Bottom Layer w2.54: J3.2 52.52,80.941 RL2.1
NetJ3_3: J3.3 RL2.2 | length 8.7
  Bottom Layer w2.54: J3.3 30.09,75.874 31.079,74.885 37.749,74.885 RL2.2
NetJ4_1: J4.1 RL3.3 | length 8.6
  Bottom Layer w2.54: J4.1 30.529,70.365 RL3.3
NetJ4_2: J4.2 RL3.1 | length 23
  Bottom Layer w2.54: J4.2 52.5,64.347 RL3.1
NetJ4_3: J4.3 RL3.2 | length 8.7
  Bottom Layer w2.54: J4.3 30.697,58.173 RL3.2
NetJ5_1: J5.1 RL4.3 | length 8.7
  Bottom Layer w2.54: J5.1 30.569,103.594 RL4.3
NetJ5_2: J5.2 RL4.1 | length 23
  Bottom Layer w1.524: J5.2 J5.2@29.61,97.517
  Bottom Layer w2.54: J5.2 52.54,97.536 RL4.1
NetJ5_3: J5.3 RL4.2 | length 8.7
  Bottom Layer w2.54: J5.3 30.658,91.402 RL4.2
NetL1_2: L1.2 U1.3 | length 3.5
  Top Layer w1.016: L1.2 L1.2@53.581,120.44
  Top Layer w1.524: L1.2 53.867,120.154 56.528,120.154 U1.3
NetL1_4: L1.4 U1.2 | length 3.7
  Top Layer w1.524: L1.4 54.768,114.935 U1.2
NetLED1_1: LED1.1 R5.1 | length 2.4
  Top Layer w0.508: LED1.1 R5.1
NetLED2_1: LED2.1 R12.1 | length 2.3
  Top Layer w0.508: R12.1 99.758,98.996 99.758,96.838 LED2.1
NetLED3_1: LED3.1 U4.2 | length 3.1
  Top Layer w0.508: LED3.1 64.974,46.405 64.974,45.672 66.323,44.323 U4.2
NetLED4_1: LED4.1 U5.2 | length 3.1
  Top Layer w0.508: LED4.1 64.897,78.022 65.195,77.724 65.225,77.724 65.733,77.216 U5.2
NetLED5_1: LED5.1 U6.2 | length 3.2
  Top Layer w0.508: LED5.1 64.77,61.911 65.975,60.706 U6.2
NetLED6_1: LED6.1 U7.2 | length 3
  Top Layer w0.508: LED6.1 65.117,95.792 65.117,94.678 66.069,93.726 U7.2
NetQ1_1: Q1.1 R17.2 | length 2.2
  Top Layer w0.762: R17.2 61.412,49.784 61.661,50.032 Q1.1
NetQ2_1: Q2.1 R18.2 | length 2.2
  Top Layer w0.762: R18.2 61.414,82.496 61.414,83.906 61.788,84.28 Q2.1
NetQ3_1: Q3.1 R21.2 | length 2.5
  Top Layer w0.762: R21.2 61.539,65.405 61.788,65.653 Q3.1
NetQ4_1: Q4.1 R22.2 | length 2.2
  Top Layer w0.762: R22.2 61.245,99.029 61.245,100.213 61.691,100.659 61.744,100.659 61.788,100.703 Q4.1
NetR2_1: R2.1 R4.2 | length 2.8
  Top Layer w1.016: R4.2 R2.1
NetR6_1: R6.1 U2.1 | length 15.3
  Top Layer w0.508: U2.1 92.329,108.204 94.361,110.236 104.069,110.236 105.72,111.887 R6.1
NetR15_2: R15.2 U4.1 | length 9.6
  Top Layer w0.508: R15.2 64.605,48.76 64.359,48.514 63.544,48.514 63.246,48.216 63.246,44.565 66.028,41.783 U4.1
NetR16_2: R16.2 U5.1 | length 9.1
  Top Layer w0.508: R16.2 64.77,81.399 64.524,81.153 63.798,81.153 63.5,80.855 63.5,77.204 66.028,74.676 U5.1
NetR17_1: R17.1 U4.3 | length 4.7
  Top Layer w0.762: U4.3 57.951,44.323 58.338,44.71 58.338,44.821 61.016,47.498 R17.1
NetR18_1: R18.1 U5.3 | length 4.7
  Top Layer w0.762: U5.3 58.222,77.216 61.143,80.137 R18.1
NetR19_2: R19.2 U6.1 | length 9.4
  Top Layer w0.508: R19.2 64.605,65.151 63.798,65.151 63.5,64.853 63.5,60.44 65.774,58.166 U6.1
NetR20_2: R20.2 U7.1 | length 9.8
  Top Layer w0.508: R20.2 63.798,98.171 63.5,97.873 63.5,92.71 64.815,91.395 65.89,91.395 U7.1
NetR21_1: R21.1 U6.3 | length 4.9
  Top Layer w0.762: U6.3 57.709,60.816 59.038,60.816 61.023,62.801 61.023,63 61.143,63.119 R21.1
NetR22_1: R22.1 U7.3 | length 5.3
  Top Layer w0.762: U7.3 57.759,93.886 58.898,93.886 61.023,96.012 61.023,96.528 61.143,96.647 R22.1
RL1: LED3.2 U3.30 | length 47.8
  Top Layer w0.508: LED3.2 69.679,46.736 69.977,47.034 69.977,61.341 78.105,69.469 88.519,69.469 89.789,70.739 U3.30
RL2: LED5.2 U3.31 | length 33.5
  Top Layer w0.508: LED5.2 69.85,63.246 77.216,70.612 87.63,70.612 90.297,73.279 U3.31
RL3: LED4.2 U3.32 | length 31.1
  Top Layer w0.508: LED4.2 71.501,79.375 75.565,75.311 95.6,75.311 96.108,75.819 U3.32
RL4: LED6.2 U3.33 | length 36.7
  Top Layer w0.508: LED6.2 69.342,96.139 87.122,78.359 U3.33
V_MEASURE: R8.2 R10.2 U3.8 | length 5.5
  Top Layer w0.508: R8.2 R10.2 120.873,63.754 121.508,63.119 U3.8
WIFI_ON: LED2.2 U3.35 | length 15.7
  Top Layer w0.508: U3.35 102.108,89.154 LED2.2
pads on no net: IC4.7 Transf1.3 Transf1.5 Transf1.7 Transf1.8 Transf1.9 U3.2 U3.3 U3.4 U3.5 U3.6 U3.9 U3.10 U3.11 U3.12 U3.13 U3.15 U3.16 U3.17 U3.18 U3.21 U3.23 U3.24 U3.27 U3.28 U3.29 U3.34 U3.36 U3.37 U3.38
copper on no net:
  other v4: 80.569,72.898
  other v5: 80.543,65.456

## Polygon pours and split planes (outlines as drawn)
GND_DC on Top Layer "100" (solid, pour order 4): 97.07,126.345 125.899,126.345 125.899,38.334 125.772,38.461 70.4,38.461 70.4,81.006 93.514,81.006 93.514,94.849 97.07,94.849
GND_DC on Top Layer "100" (solid, pour order 3): 70.104,59.753 70.04,59.69 60.579,59.69 60.579,38.481 70.104,38.481
+5 on Top Layer "100" (solid, pour order 1): 115.57,108.585 117.348,108.585 117.348,106.426 115.57,106.426
NetC5_1 on Top Layer "NETC5_1_L01_P000" (solid, pour order 0): 118.11,108.585 119.888,108.585 119.888,106.426 118.11,106.426
GND_DC on Bottom Layer "100" (solid, pour order 2): 96.774,126.365 125.603,126.365 125.603,38.354 125.476,38.481 70.104,38.481 70.104,81.026 93.218,81.026 93.218,94.869 96.774,94.869
GND_DC on Bottom Layer "100" (solid, pour order 5): 70.135,59.725 70.071,59.661 60.61,59.661 60.61,38.452 70.135,38.452

## Text inside footprints (layer, text, board x,y; h text height)
C2: Top Overlay "+" at 70.841,112.531 h1.5 r90